# KiCad board gk-pcbv3.kicad_pcb (continued)
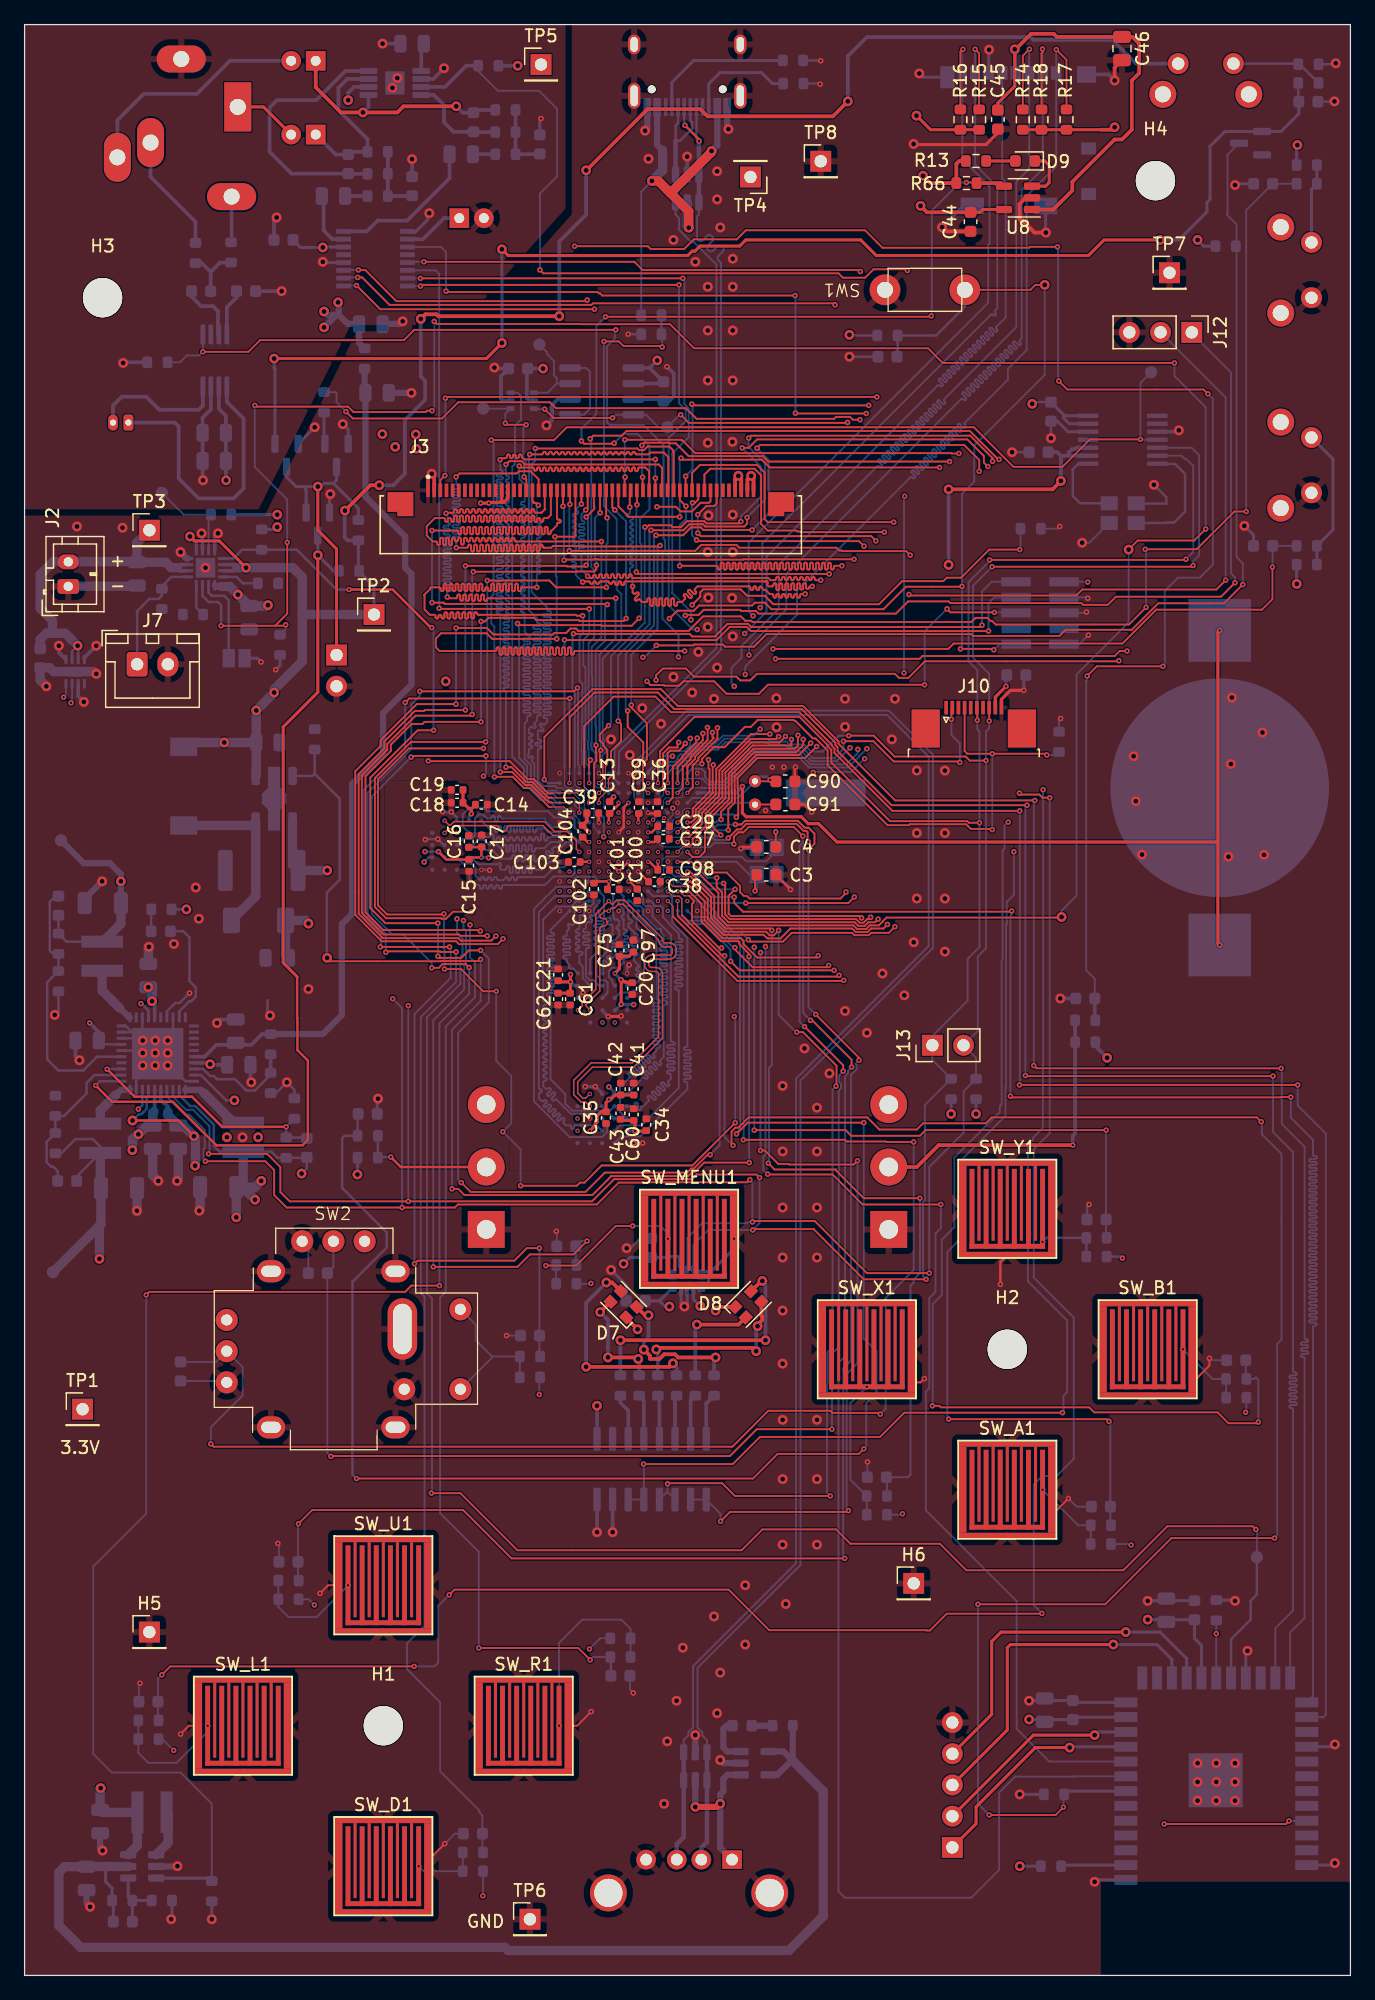
[diagram p0: board, top side]
## Routing (per net, layer and track width the routed paths; a pad name or vN(x,y) marks a point on that pad's centre or on a via; arc(x,y) is an arc through that point) (continued)
XSPI1_DQ12: length 31.1
  Bottom w0.156: U4.N6 51.16,87.83 52.56,87.83 52.72,87.67 52.72,85.68 53.97,84.44 53.97,75.65 arc(53.94,75.58) 53.86,75.54 53.79,75.54 arc(53.72,75.51) 53.69,75.44 53.69,75.39 arc(53.72,75.32) 53.79,75.29 54.14,75.29 arc(54.21,75.26) 54.24,75.18 54.24,75.13 arc(54.21,75.06) 54.14,75.03 53.79,75.03 arc(53.72,75) 53.69,74.93 53.69,74.87 arc(53.72,74.8) 53.79,74.77 54.14,74.77 arc(54.21,74.74) 54.24,74.67 54.24,74.62 arc(54.21,74.54) 54.14,74.51 53.79,74.51 arc(53.72,74.48) 53.69,74.41 53.69,74.36 arc(53.72,74.28) 53.79,74.25 54.14,74.25 arc(54.21,74.22) 54.24,74.15 54.24,74.1 arc(54.21,74.03) 54.14,74 53.79,74 arc(53.72,73.97) 53.69,73.89 53.69,73.84 arc(53.72,73.77) 53.79,73.74 54.14,73.74 arc(54.21,73.71) 54.24,73.64 54.24,73.58 arc(54.21,73.51) 54.14,73.48 53.79,73.48 arc(53.72,73.45) 53.69,73.38 53.69,73.33 arc(53.72,73.25) 53.79,73.22 54.14,73.22 arc(54.21,73.19) 54.24,73.12 54.24,73.07 arc(54.21,72.99) 54.14,72.96 53.79,72.96 arc(53.72,72.93) 53.69,72.86 53.69,72.81 arc(53.72,72.74) 53.79,72.71 53.86,72.71 arc(53.94,72.68) 53.97,72.6 53.97,72.12 50.12,68.28 48.57,68.28 U17.D5
XSPI1_DQ13: length 31.1
  Bottom w0.156: U4.R7 49.97,86.19 51.44,84.71 51.44,79.48 arc(51.47,79.41) 51.54,79.38 51.63,79.38 arc(51.7,79.35) 51.73,79.28 51.73,79.22 arc(51.7,79.15) 51.63,79.12 51.25,79.12 arc(51.18,79.09) 51.15,79.02 51.15,78.97 arc(51.18,78.89) 51.25,78.86 51.63,78.86 arc(51.7,78.83) 51.73,78.76 51.73,78.71 arc(51.7,78.64) 51.63,78.61 51.25,78.61 arc(51.18,78.58) 51.15,78.5 51.15,78.45 arc(51.18,78.38) 51.25,78.35 51.63,78.35 arc(51.7,78.32) 51.73,78.24 51.73,78.19 arc(51.7,78.12) 51.63,78.09 51.25,78.09 arc(51.18,78.06) 51.15,77.99 51.15,77.93 arc(51.18,77.86) 51.25,77.83 51.63,77.83 arc(51.7,77.8) 51.73,77.73 51.73,77.68 arc(51.7,77.6) 51.63,77.57 51.25,77.57 arc(51.18,77.54) 51.15,77.47 51.15,77.42 arc(51.18,77.35) 51.25,77.32 51.63,77.32 arc(51.7,77.29) 51.73,77.21 51.73,77.16 arc(51.7,77.09) 51.63,77.06 51.25,77.06 arc(51.18,77.03) 51.15,76.95 51.15,76.9 arc(51.18,76.83) 51.25,76.8 51.63,76.8 arc(51.7,76.77) 51.73,76.7 51.73,76.64 arc(51.7,76.57) 51.63,76.54 51.25,76.54 arc(51.18,76.51) 51.15,76.44 51.15,76.39 arc(51.18,76.31) 51.25,76.28 51.63,76.28 arc(51.7,76.25) 51.73,76.18 51.73,76.13 arc(51.7,76.06) 51.63,76.02 51.25,76.02 arc(51.18,75.99) 51.15,75.92 51.15,75.87 arc(51.18,75.8) 51.25,75.77 51.63,75.77 arc(51.7,75.74) 51.73,75.66 51.73,75.61 arc(51.7,75.54) 51.63,75.51 51.54,75.51 arc(51.47,75.48) 51.44,75.41 51.44,75.25 51.22,75.03 arc(51.19,74.96) 51.22,74.88 51.28,74.82 arc(51.31,74.75) 51.28,74.68 51.25,74.64 arc(51.17,74.61) 51.1,74.64 50.84,74.9 arc(50.76,74.93) 50.69,74.9 50.65,74.87 arc(50.62,74.8) 50.65,74.72 50.92,74.46 arc(50.95,74.39) 50.92,74.31 50.88,74.28 arc(50.81,74.25) 50.74,74.28 50.47,74.54 arc(50.4,74.57) 50.33,74.54 50.29,74.5 arc(50.26,74.43) 50.29,74.36 50.55,74.09 arc(50.58,74.02) 50.55,73.95 50.52,73.91 arc(50.44,73.88) 50.37,73.91 50.11,74.17 arc(50.03,74.2) 49.96,74.17 49.92,74.14 arc(49.89,74.07) 49.92,73.99 50.19,73.73 arc(50.22,73.66) 50.19,73.58 50.15,73.55 arc(50.08,73.52) 50.01,73.55 49.74,73.81 arc(49.67,73.84) 49.6,73.81 49.56,73.77 arc(49.53,73.7) 49.56,73.63 49.82,73.36 arc(49.85,73.29) 49.82,73.22 49.79,73.18 arc(49.71,73.15) 49.64,73.18 49.38,73.44 arc(49.3,73.48) 49.23,73.44 49.19,73.41 arc(49.16,73.34) 49.19,73.26 49.25,73.2 arc(49.28,73.13) 49.25,73.06 48.47,72.28 48.47,70.28 U17.E3
XSPI1_DQ14: length 31.1
  Bottom w0.156: U17.E2 49.57,70.73 arc(49.64,70.76) 49.67,70.83 49.67,70.92 arc(49.7,71) 49.78,71.03 49.83,71.03 arc(49.9,71) 49.93,70.92 49.93,70.53 arc(49.96,70.46) 50.03,70.43 50.08,70.43 arc(50.16,70.46) 50.19,70.53 50.19,70.62 arc(50.22,70.7) 50.29,70.73 50.37,70.73 50.81,71.16 arc(50.84,71.24) 50.81,71.31 50.74,71.38 arc(50.71,71.45) 50.74,71.52 50.78,71.56 arc(50.85,71.59) 50.93,71.56 51.2,71.28 arc(51.28,71.25) 51.35,71.28 51.39,71.32 arc(51.42,71.39) 51.39,71.46 51.11,71.74 arc(51.08,71.81) 51.11,71.89 51.14,71.92 arc(51.22,71.95) 51.29,71.92 51.57,71.65 arc(51.64,71.61) 51.71,71.65 51.75,71.68 arc(51.78,71.75) 51.75,71.83 51.47,72.11 arc(51.44,72.18) 51.47,72.25 51.51,72.29 arc(51.58,72.32) 51.66,72.29 51.93,72.01 arc(52.01,71.98) 52.08,72.01 52.12,72.05 arc(52.15,72.12) 52.12,72.19 51.84,72.47 arc(51.81,72.54) 51.84,72.62 51.87,72.65 arc(51.95,72.68) 52.02,72.65 52.3,72.37 arc(52.37,72.34) 52.44,72.37 52.48,72.41 arc(52.51,72.48) 52.48,72.56 52.42,72.62 arc(52.38,72.7) 52.42,72.77 52.62,72.97 52.62,73.28 arc(52.59,73.35) 52.51,73.38 52.42,73.38 arc(52.35,73.41) 52.32,73.49 52.32,73.54 arc(52.35,73.61) 52.42,73.64 52.81,73.64 arc(52.89,73.67) 52.92,73.74 52.92,73.8 arc(52.89,73.87) 52.81,73.9 52.42,73.9 arc(52.35,73.93) 52.32,74 52.32,74.05 arc(52.35,74.13) 52.42,74.16 52.81,74.16 arc(52.89,74.19) 52.92,74.26 52.92,74.31 arc(52.89,74.38) 52.81,74.41 52.42,74.41 arc(52.35,74.44) 52.32,74.52 52.32,74.57 arc(52.35,74.64) 52.42,74.67 52.81,74.67 arc(52.89,74.7) 52.92,74.78 52.92,74.83 arc(52.89,74.9) 52.81,74.93 52.42,74.93 arc(52.35,74.96) 52.32,75.03 52.32,75.09 arc(52.35,75.16) 52.42,75.19 52.81,75.19 arc(52.89,75.22) 52.92,75.29 52.92,75.34 arc(52.89,75.42) 52.81,75.45 52.42,75.45 arc(52.35,75.48) 52.32,75.55 52.32,75.6 arc(52.35,75.67) 52.42,75.7 52.81,75.7 arc(52.89,75.74) 52.92,75.81 52.92,75.86 arc(52.89,75.93) 52.81,75.96 52.72,75.96 arc(52.65,75.99) 52.62,76.07 52.62,84.69 51.12,86.18 51.12,86.83 50.92,87.03 50.52,87.03 50.36,87.19 50.36,87.83 U4.N7
XSPI1_DQ15: length 31.1
  Bottom w0.156: U17.E1 50.34,73.04 arc(50.41,73.07) 50.48,73.04 50.54,72.99 arc(50.62,72.95) 50.69,72.99 50.73,73.02 arc(50.76,73.09) 50.73,73.17 50.5,73.39 arc(50.47,73.47) 50.5,73.54 50.54,73.58 arc(50.61,73.61) 50.68,73.58 50.91,73.35 arc(50.98,73.32) 51.05,73.35 51.09,73.39 arc(51.12,73.46) 51.09,73.53 50.86,73.76 arc(50.83,73.83) 50.86,73.91 50.9,73.94 arc(50.97,73.97) 51.05,73.94 51.27,73.72 arc(51.35,73.68) 51.42,73.72 51.45,73.75 arc(51.49,73.82) 51.45,73.9 51.23,74.12 arc(51.2,74.2) 51.23,74.27 51.26,74.31 arc(51.34,74.34) 51.41,74.31 51.64,74.08 arc(51.71,74.05) 51.78,74.08 51.82,74.12 arc(51.85,74.19) 51.82,74.26 51.76,74.32 arc(51.73,74.39) 51.76,74.47 52.04,74.75 52.04,78.91 arc(52.07,78.98) 52.14,79.01 52.23,79.01 arc(52.31,79.04) 52.34,79.11 52.34,79.17 arc(52.31,79.24) 52.23,79.27 52.14,79.27 arc(52.07,79.3) 52.04,79.37 52.04,79.42 arc(52.07,79.5) 52.14,79.53 52.23,79.53 arc(52.31,79.56) 52.34,79.63 52.34,79.68 arc(52.31,79.76) 52.23,79.79 51.85,79.79 arc(51.78,79.82) 51.75,79.89 51.75,79.94 arc(51.78,80.01) 51.85,80.04 52.23,80.04 arc(52.31,80.07) 52.34,80.15 52.34,80.2 arc(52.31,80.27) 52.23,80.3 51.85,80.3 arc(51.78,80.33) 51.75,80.4 51.75,80.46 arc(51.78,80.53) 51.85,80.56 52.23,80.56 arc(52.31,80.59) 52.34,80.66 52.34,80.71 arc(52.31,80.79) 52.23,80.82 51.85,80.82 arc(51.78,80.85) 51.75,80.92 51.75,80.97 arc(51.78,81.05) 51.85,81.08 52.23,81.08 arc(52.31,81.11) 52.34,81.18 52.34,81.23 arc(52.31,81.3) 52.23,81.33 51.85,81.33 arc(51.78,81.36) 51.75,81.44 51.75,81.49 arc(51.78,81.56) 51.85,81.59 52.23,81.59 arc(52.31,81.62) 52.34,81.7 52.34,81.75 arc(52.31,81.82) 52.23,81.85 51.85,81.85 arc(51.78,81.88) 51.75,81.95 51.75,82 arc(51.78,82.08) 51.85,82.11 52.23,82.11 arc(52.31,82.14) 52.34,82.21 52.34,82.26 arc(52.31,82.34) 52.23,82.37 51.85,82.37 arc(51.78,82.4) 51.75,82.47 51.75,82.52 arc(51.78,82.59) 51.85,82.62 52.23,82.62 arc(52.31,82.65) 52.34,82.73 52.34,82.78 arc(52.31,82.85) 52.23,82.88 51.85,82.88 arc(51.78,82.91) 51.75,82.99 51.75,83.04 arc(51.78,83.11) 51.85,83.14 52.23,83.14 arc(52.31,83.17) 52.34,83.24 52.34,83.3 arc(52.31,83.37) 52.23,83.4 51.85,83.4 arc(51.78,83.43) 51.75,83.5 51.75,83.55 arc(51.78,83.63) 51.85,83.66 52.23,83.66 arc(52.31,83.69) 52.34,83.76 52.34,83.81 arc(52.31,83.88) 52.23,83.91 51.85,83.91 arc(51.78,83.94) 51.75,84.02 51.75,84.07 arc(51.78,84.14) 51.85,84.17 51.94,84.17 arc(52.01,84.2) 52.04,84.28 52.04,84.61 51.82,84.83 arc(51.8,84.9) 51.82,84.96 arc(51.85,85.03) 51.82,85.1 51.78,85.15 arc(51.71,85.17) 51.64,85.15 arc(51.57,85.12) 51.51,85.15 50.37,86.28 50.37,86.78 50.12,87.03 49.72,87.03 49.33,87.43 U4.P8
XSPI1_RESET#: length 105.9
  Top w0.152: v1(37.36,99.85) 31.29,99.85 28.78,97.33 28.78,87.07 29.51,86.33 34.09,86.33 v1(34.14,86.39) ; v1(57.86,69.39) 54.38,65.91 46.99,65.91 45.59,64.52 45.21,64.52 44.96,64.26 v1(40.39,64.26) ; v1(38.4,80.09) 37.34,80.09 35.53,81.89 v1(34.19,81.89)
  In3.Cu w0.152: v1(37.36,99.85) 40.44,99.85 43.69,96.6 44.74,96.6 v3(45.17,97.03) ; v1(57.78,78.03) 50.22,78.03 49.73,77.54 v3(48.06,77.54) ; v1(38.94,68.66) 39.01,68.73 v3(45.02,68.73)
  Bottom w0.152: v1(40.39,64.26) 40.39,67.21 v1(38.94,68.66) 39.62,69.34 39.62,73.2 38.4,74.42 v1(38.4,80.09) ; v1(34.14,86.39) 34.14,83.67 34.09,83.62 34.19,83.52 v1(34.19,81.89) ; v1(57.86,69.39) 57.86,77.95 v1(57.78,78.03)
XSPI1_RWDS0: length 11.3
  Bottom w0.156: U4.N11 47.17,87.82 47.17,86.13 47.29,86.01 arc(47.37,85.98) 47.44,86.01 47.48,86.05 arc(47.55,86.08) 47.62,86.05 47.66,86.01 arc(47.69,85.94) 47.66,85.86 47.49,85.7 arc(47.47,85.64) 47.49,85.59 47.56,85.52 arc(47.62,85.49) 47.68,85.52 arc(47.73,85.54) 47.79,85.52 47.87,85.43 47.87,84.68 arc(47.8,84.65) 47.73,84.68 47.7,84.71 arc(47.62,84.74) 47.55,84.71 47.51,84.67 arc(47.48,84.6) 47.51,84.53 47.55,84.5 arc(47.58,84.42) 47.55,84.35 47.47,84.28 47.47,83.38 46.57,82.48 46.57,81.38 46.97,80.98 47.27,80.98 47.47,80.78 47.47,79.98 47.37,79.88 47.37,79.86 U6.C3
XSPI1_RWDS1: length 31.1
  Bottom w0.156: U17.C3 47.42,69.33 47.42,68.63 47.03,68.23 44.37,68.23 41.47,71.13 41.47,86.78 43.28,88.58 44.61,88.58 44.81,88.78 44.81,89.26 44.95,89.41 46.38,89.41 U4.M11
XSPI2_CK_N: length 12.6
  Top w0.122: v3(34.2,93.97) 34.53,93.63 34.7,93.63 34.96,93.89 42.34,93.89 43.14,93.09 44.18,93.09 44.93,92.34 44.93,91.66 v3(45.17,91.43)
XSPI2_CK_P: length 12.6
  Top w0.122: v3(34.2,92.97) 34.53,93.31 34.84,93.31 35.09,93.57 38.41,93.57 arc(38.58,93.5) 38.65,93.33 arc(38.72,93.16) 38.89,93.09 39.01,93.09 arc(39.18,93.16) 39.25,93.33 arc(39.32,93.5) 39.49,93.57 42.21,93.57 43.01,92.77 44.03,92.77 44.6,92.19 44.6,91.66 v3(44.37,91.43)
XSPI2_CS#: length 9.7
  In3.Cu w0.203: v3(44.37,93.83) 43.26,92.72 35.45,92.72 v3(35.2,92.97)
XSPI2_DQ0: length 12.7
  Bottom w0.156: U5.D3 36.52,91.97 36.97,92.43 37.37,92.43 37.77,92.03 38.42,92.03 38.72,91.73 38.87,91.73 arc(38.94,91.76) 38.97,91.83 38.97,91.9 arc(39,91.98) 39.07,92.01 39.12,92.01 arc(39.2,91.98) 39.23,91.9 39.23,91.55 arc(39.26,91.48) 39.33,91.45 39.38,91.45 arc(39.46,91.48) 39.49,91.55 39.49,91.9 arc(39.52,91.98) 39.59,92.01 39.64,92.01 arc(39.71,91.98) 39.74,91.9 39.74,91.55 arc(39.77,91.48) 39.85,91.45 39.9,91.45 arc(39.97,91.48) 40,91.55 40,91.9 arc(40.03,91.98) 40.1,92.01 40.16,92.01 arc(40.23,91.98) 40.26,91.9 40.26,91.55 arc(40.29,91.48) 40.36,91.45 40.41,91.45 arc(40.49,91.48) 40.52,91.55 40.52,91.9 arc(40.55,91.98) 40.62,92.01 40.67,92.01 arc(40.75,91.98) 40.78,91.9 40.78,91.55 arc(40.81,91.48) 40.88,91.45 40.93,91.45 arc(41,91.48) 41.03,91.55 41.03,91.9 arc(41.06,91.98) 41.14,92.01 41.19,92.01 arc(41.26,91.98) 41.29,91.9 41.29,91.55 arc(41.32,91.48) 41.4,91.45 41.45,91.45 arc(41.52,91.48) 41.55,91.55 41.55,91.62 arc(41.58,91.7) 41.65,91.73 42.32,91.73 42.82,92.23 U4.H15
XSPI2_DQ1: length 12.6
  Bottom w0.156: U4.G13 44.77,93.42 44.77,94.03 44.57,94.23 43.12,94.23 42.62,94.73 37.67,94.73 37.37,95.03 36.22,95.03 35.67,94.48 35.67,93.5 U5.D2
XSPI2_DQ2: length 12.7
  Bottom w0.156: U5.C4 35.69,90.48 36.37,90.48 36.72,90.13 36.72,89.48 37.07,89.13 arc(37.15,89.16) 37.18,89.23 37.18,89.29 arc(37.21,89.36) 37.28,89.39 37.33,89.39 arc(37.4,89.36) 37.43,89.29 37.43,89.23 arc(37.47,89.16) 37.54,89.13 37.59,89.13 arc(37.66,89.16) 37.69,89.23 37.69,89.29 arc(37.72,89.36) 37.8,89.39 37.85,89.39 arc(37.92,89.36) 37.95,89.29 37.95,89.23 arc(37.98,89.16) 38.05,89.13 38.11,89.13 arc(38.18,89.16) 38.21,89.23 38.21,89.29 arc(38.24,89.36) 38.31,89.39 38.36,89.39 arc(38.44,89.36) 38.47,89.29 38.47,89.23 arc(38.5,89.16) 38.57,89.13 38.97,89.13 39.22,89.38 arc(39.3,89.35) 39.33,89.27 39.33,89.22 arc(39.36,89.15) 39.43,89.12 39.48,89.12 arc(39.55,89.15) 39.58,89.22 39.58,89.27 arc(39.62,89.35) 39.69,89.38 39.74,89.38 arc(39.81,89.35) 39.84,89.27 39.84,89.22 arc(39.87,89.15) 39.95,89.12 40,89.12 arc(40.07,89.15) 40.1,89.22 40.1,89.27 arc(40.13,89.35) 40.2,89.38 42.32,89.38 43.12,90.18 43.92,90.18 U4.K14
XSPI2_DQ3: length 12.7
  Bottom w0.156: U4.K15 42.77,90.63 42.12,89.98 41.66,89.98 arc(41.59,90.01) 41.56,90.08 41.56,90.16 arc(41.53,90.23) 41.45,90.26 41.4,90.26 arc(41.33,90.23) 41.3,90.16 41.3,89.8 arc(41.27,89.72) 41.2,89.69 41.14,89.69 arc(41.07,89.72) 41.04,89.8 41.04,90.16 arc(41.01,90.23) 40.94,90.26 40.89,90.26 arc(40.81,90.23) 40.78,90.16 40.78,89.8 arc(40.75,89.72) 40.68,89.69 40.63,89.69 arc(40.56,89.72) 40.53,89.8 40.53,90.16 arc(40.49,90.23) 40.42,90.26 40.37,90.26 arc(40.3,90.23) 40.27,90.16 40.27,89.8 arc(40.24,89.72) 40.16,89.69 40.11,89.69 arc(40.04,89.72) 40.01,89.8 40.01,90.16 arc(39.98,90.23) 39.91,90.26 39.85,90.26 arc(39.78,90.23) 39.75,90.16 39.75,89.8 arc(39.72,89.72) 39.65,89.69 39.6,89.69 arc(39.52,89.72) 39.49,89.8 39.49,90.16 arc(39.46,90.23) 39.39,90.26 39.34,90.26 arc(39.27,90.23) 39.23,90.16 39.23,90.08 arc(39.2,90.01) 39.13,89.98 38.82,89.98 38.7,90.1 arc(38.67,90.17) 38.7,90.25 38.76,90.3 arc(38.79,90.37) 38.76,90.45 38.72,90.48 arc(38.65,90.51) 38.57,90.48 38.52,90.43 arc(38.45,90.4) 38.37,90.43 36.92,90.43 36.38,90.97 U5.D4
XSPI2_DQ4: length 12.7
  Bottom w0.156: U4.K13 44.77,90.23 44.77,89.68 44.53,89.43 43.08,89.43 42.37,88.73 38.97,88.73 arc(38.9,88.7) 38.87,88.62 38.87,88.54 arc(38.84,88.46) 38.77,88.43 38.72,88.43 arc(38.64,88.46) 38.61,88.54 38.61,88.62 arc(38.58,88.7) 38.51,88.73 38.46,88.73 arc(38.38,88.7) 38.35,88.62 38.35,88.54 arc(38.32,88.46) 38.25,88.43 38.2,88.43 arc(38.13,88.46) 38.1,88.54 38.1,88.62 arc(38.07,88.7) 37.99,88.73 37.94,88.73 arc(37.87,88.7) 37.84,88.62 37.84,88.54 arc(37.81,88.46) 37.74,88.43 37.68,88.43 arc(37.61,88.46) 37.58,88.54 37.58,88.62 arc(37.55,88.7) 37.48,88.73 37.43,88.73 arc(37.35,88.7) 37.32,88.62 37.32,88.54 arc(37.29,88.46) 37.22,88.43 37.17,88.43 arc(37.09,88.46) 37.06,88.54 37.06,88.62 arc(37.03,88.7) 36.96,88.73 36.72,88.73 36.2,89.26 U5.D5
XSPI2_DQ5: length 12.7
  Bottom w0.156: U5.E3 37.59,91.58 38.07,91.58 38.77,90.88 39.59,90.88 arc(39.67,90.91) 39.7,90.98 39.7,91.06 arc(39.73,91.13) 39.8,91.16 39.85,91.16 arc(39.93,91.13) 39.96,91.06 39.96,90.75 arc(39.99,90.68) 40.06,90.65 40.11,90.65 arc(40.18,90.68) 40.21,90.75 40.21,91.06 arc(40.24,91.13) 40.32,91.16 40.37,91.16 arc(40.44,91.13) 40.47,91.06 40.47,90.75 arc(40.5,90.68) 40.58,90.65 40.63,90.65 arc(40.7,90.68) 40.73,90.75 40.73,91.06 arc(40.76,91.13) 40.83,91.16 40.88,91.16 arc(40.96,91.13) 40.99,91.06 40.99,90.75 arc(41.02,90.68) 41.09,90.65 41.14,90.65 arc(41.22,90.68) 41.25,90.75 41.25,91.06 arc(41.28,91.13) 41.35,91.16 41.4,91.16 arc(41.47,91.13) 41.5,91.06 41.5,90.75 arc(41.53,90.68) 41.61,90.65 41.66,90.65 arc(41.73,90.68) 41.76,90.75 41.76,90.77 arc(41.79,90.85) 41.87,90.88 42.17,90.88 42.28,90.99 arc(42.36,91.02) 42.43,90.99 42.49,90.94 arc(42.56,90.91) 42.63,90.94 42.67,90.97 arc(42.7,91.04) 42.67,91.12 42.48,91.31 arc(42.45,91.37) 42.48,91.43 42.53,91.49 arc(42.6,91.52) 42.66,91.49 42.85,91.3 arc(42.92,91.27) 43,91.3 43.03,91.34 arc(43.06,91.41) 43.03,91.48 42.98,91.54 arc(42.95,91.61) 42.98,91.68 43.12,91.83 43.72,91.83 44.12,92.23 U4.H14
XSPI2_DQ6: length 12.7
  Bottom w0.156: U5.E2 37.54,92.63 37.82,92.63 arc(37.89,92.66) 37.92,92.73 37.92,92.75 arc(37.95,92.83) 38.03,92.86 38.08,92.86 arc(38.15,92.83) 38.18,92.75 38.18,92.45 arc(38.21,92.38) 38.28,92.35 38.34,92.35 arc(38.41,92.38) 38.44,92.45 38.44,92.52 arc(38.47,92.6) 38.54,92.63 38.59,92.63 arc(38.67,92.6) 38.7,92.52 38.7,92.45 arc(38.73,92.38) 38.8,92.35 38.85,92.35 arc(38.93,92.38) 38.96,92.45 38.96,92.52 arc(38.99,92.6) 39.06,92.63 39.11,92.63 arc(39.18,92.6) 39.21,92.52 39.21,92.45 arc(39.24,92.38) 39.32,92.35 39.37,92.35 arc(39.44,92.38) 39.47,92.45 39.47,92.52 arc(39.5,92.6) 39.58,92.63 39.63,92.63 arc(39.7,92.6) 39.73,92.52 39.73,92.45 arc(39.76,92.38) 39.83,92.35 39.88,92.35 arc(39.96,92.38) 39.99,92.45 39.99,92.52 arc(40.02,92.6) 40.09,92.63 40.14,92.63 arc(40.22,92.6) 40.25,92.52 40.25,92.45 arc(40.28,92.38) 40.35,92.35 40.4,92.35 arc(40.47,92.38) 40.5,92.45 40.5,92.52 arc(40.53,92.6) 40.61,92.63 40.66,92.63 arc(40.73,92.6) 40.76,92.52 40.76,92.45 arc(40.79,92.38) 40.87,92.35 40.92,92.35 arc(40.99,92.38) 41.02,92.45 41.02,92.52 arc(41.05,92.6) 41.12,92.63 41.18,92.63 arc(41.25,92.6) 41.28,92.52 41.28,92.45 arc(41.31,92.38) 41.38,92.35 41.43,92.35 arc(41.51,92.38) 41.54,92.45 41.54,92.52 arc(41.57,92.6) 41.64,92.63 41.69,92.63 arc(41.76,92.6) 41.79,92.52 41.79,92.45 arc(41.82,92.38) 41.9,92.35 41.95,92.35 arc(42.02,92.38) 42.05,92.45 42.05,92.8 arc(42.08,92.88) 42.16,92.91 42.21,92.91 arc(42.28,92.88) 42.31,92.8 42.31,92.45 arc(42.34,92.38) 42.41,92.35 42.47,92.35 arc(42.54,92.38) 42.57,92.45 42.57,92.52 arc(42.6,92.6) 42.67,92.63 44.76,92.63 U4.H13
XSPI2_DQ7: length 12.5
  Bottom w0.156: U5.E1 37.83,93.34 37.92,93.34 arc(37.99,93.37) 38.02,93.44 arc(38.05,93.51) 38.12,93.54 38.18,93.54 arc(38.25,93.51) 38.28,93.44 38.28,93.14 arc(38.31,93.07) 38.39,93.04 38.44,93.04 arc(38.51,93.07) 38.54,93.14 38.54,93.44 arc(38.57,93.51) 38.64,93.54 38.7,93.54 arc(38.77,93.51) 38.8,93.44 38.8,93.14 arc(38.83,93.07) 38.9,93.04 38.95,93.04 arc(39.03,93.07) 39.06,93.14 39.06,93.44 arc(39.09,93.51) 39.16,93.54 39.21,93.54 arc(39.29,93.51) 39.31,93.44 39.31,93.14 arc(39.34,93.07) 39.42,93.04 39.47,93.04 arc(39.54,93.07) 39.57,93.14 39.57,93.44 arc(39.6,93.51) 39.67,93.54 39.73,93.54 arc(39.8,93.51) 39.83,93.44 39.83,93.14 arc(39.86,93.07) 39.93,93.04 39.99,93.04 arc(40.06,93.07) 40.09,93.14 40.09,93.44 arc(40.12,93.51) 40.19,93.54 40.25,93.54 arc(40.32,93.51) 40.35,93.44 40.35,93.14 arc(40.38,93.07) 40.45,93.04 40.5,93.04 arc(40.57,93.07) 40.6,93.14 40.6,93.44 arc(40.63,93.51) 40.7,93.54 40.76,93.54 arc(40.83,93.51) 40.86,93.44 40.86,93.14 arc(40.89,93.07) 40.97,93.04 41.02,93.04 arc(41.09,93.07) 41.12,93.14 41.12,93.44 arc(41.15,93.51) 41.22,93.54 41.28,93.54 arc(41.35,93.51) 41.38,93.44 41.38,93.14 arc(41.41,93.07) 41.48,93.04 41.53,93.04 arc(41.61,93.07) 41.64,93.14 41.64,93.23 arc(41.67,93.31) 41.74,93.34 42.11,93.34 42.12,93.33 42.32,93.33 42.63,93.03 U4.G15
XSPI2_RWDS: length 12.7
  Bottom w0.156: U5.C3 35.7,92.48 36.37,92.48 36.67,92.78 36.67,94.18 36.97,94.48 37.32,94.48 37.67,94.13 37.92,94.13 arc(37.99,94.16) 38.02,94.23 38.02,94.26 arc(38.05,94.33) 38.12,94.36 38.17,94.36 arc(38.25,94.33) 38.28,94.26 38.28,94 arc(38.31,93.93) 38.38,93.9 38.43,93.9 arc(38.51,93.93) 38.54,94 38.54,94.26 arc(38.57,94.33) 38.64,94.36 38.69,94.36 arc(38.76,94.33) 38.79,94.26 38.79,94.23 arc(38.82,94.16) 38.9,94.13 42.32,94.13 43.02,93.43 43.96,93.43 U4.G14
Net-(C49-Pad2): length 1.8
  Bottom w0.305: C49.2 R3.1
Net-(C50-Pad2): length 1.8
  Bottom w0.305: C50.2 38.33,148.2
Net-(C51-Pad1): length 5.6
  Bottom w0.305: C51.1 31.52,144.8 R3.2 R19.1 R20.1
Net-(C53-Pad1): length 5.6
  Bottom w0.305: C53.1 41.92,148.2 R21.2 R70.1 R69.1
Net-(C55-Pad2): length 5.3
  Top w0.254: C55.2 19.46,152.05 J5.T
Net-(C56-Pad2): length 19.2
  Bottom w0.305: C56.2 16.71,155.8 14.02,153.11 9.7,153.11 7.56,150.97 J5.R
Net-(C82-Pad2): length 5.1
  Bottom w0.305: 15.15,138.62 C82.2 ; 15.15,138.62 15.91,139.38 R64.2 ; 15.15,138.62 14.44,139.33 R65.2
Net-(D1-A): length 1.8
  Bottom w0.203: D1.2 10.3,86.74 R97.2
Net-(D4-A): length 14.9
  Bottom w0.762: L1.2 18.49,93.57 U22.5 18.82,87.82 D4.2
Net-(D4-K): length 85.5
  Top w0.305: J3.51 57.85,121.76 v2(58.12,122.03) 58.35,121.79 J3.52
  In2.Cu w0.762: v2(58.12,122.03) 58.12,122.4 56.9,123.62 55.09,123.62 54.31,124.41 51.82,124.41 50.27,125.96 45.08,125.96 44.35,125.22 40.56,125.22 39.5,124.16 33.38,124.16 31.85,122.63 30.51,122.63 30.18,122.96 v2(30.18,124.38) v2(29.13,125.43)
  In3.Cu w0.762: v2(23.11,85.6) 23.11,96.52 27.94,101.35 27.94,104.24 30.66,106.96 30.66,123.9 v2(29.13,125.43)
  Bottom w0.762: C31.1 21.25,83.08 D4.1 22.86,85.85 v2(23.11,85.6)
Net-(D5-A): length 1.7
  Bottom w0.508: D5.2 R73.1
Net-(D5-K): length 3.9
  Bottom w0.508: D5.1 57.15,20.32 56.9,20.07 56.9,18.54 57.22,18.22 U24.3
Net-(D7-BK): length 9
  Top w0.305: v2(47.5,50.29) 49.83,50.29 v2(49.96,50.16) ; v2(46.86,53.98) D7.4
  Bottom w0.305: 50.04,48.83 50.04,50.09 v2(49.96,50.16) ; v2(47.5,50.29) 47.5,53.34 v2(46.86,53.98)
Net-(D7-GK): length 17.3
  Top w0.305: v2(47.37,56.39) 47.84,56.39 D7.3 ; v2(52.79,49.81) 52.51,49.52 45.73,49.52 v2(45.72,49.53)
  Bottom w0.305: v2(45.72,49.53) 45.72,54.74 v2(47.37,56.39) ; v2(52.79,49.81) 53.09,49.51 53.09,48.83
Net-(D7-RK): length 12.3
  Top w0.305: v2(50.42,50.93) 50.93,50.42 50.93,50.17 51.69,50.17 52.07,50.55 52.96,50.55 53.22,50.28 v2(56.26,50.28) ; D7.2 50.51,53.72 v2(50.8,53.72)
  Bottom w0.305: v2(50.42,50.93) 50.42,51.56 50.8,51.94 v2(50.8,53.72) ; v2(56.26,50.28) 56.13,50.16 56.13,48.83
Net-(D8-BK): length 20.9
  Top w0.305: v2(60.07,56.52) 59.99,56.52 D8.4 ; v2(48.51,51.69) v2(60.33,51.69)
  Bottom w0.305: 48.51,48.83 v2(48.51,51.69) ; v2(60.07,56.52) 60.33,56.26 v2(60.33,51.69)
Net-(D8-GK): length 14.7
  Top w0.305: v2(59.68,52.83) 59.68,52.95 60.07,53.34 60.07,53.59 59.99,53.67 D8.3 ; v2(59.56,50.8) 59.3,51.07 51.57,51.07 v2(51.44,50.93)
  Bottom w0.305: v2(59.56,50.8) 59.56,52.71 v2(59.68,52.83) ; 51.56,48.83 51.56,50.81 v2(51.44,50.93)
Net-(D8-RK): length 8.4
  Top w0.305: v2(54.74,52.96) 58.13,52.96 D8.2
  Bottom w0.305: v2(54.74,52.96) 54.61,52.83 54.61,48.83
Net-(D9-A): length 2.4
  Top w0.254: D9.2 R13.2
Net-(D9-K): length 4.2
  Top w0.254: D9.1 83.06,147.65 83.42,147.29 83.42,145.9 83.12,145.6 U8.3
Net-(J1-CC1): length 11.8
  Bottom w0.25: R6.2 54.49,155.83 52.7,154.05 J1.A5
Net-(J1-CC2): length 8.7
  Bottom w0.25: R7.1 60.89,153.95 60,154.84 56.62,154.84 55.7,153.92 J1.B5
Net-(J3-Pin_53): length 85.2
  Top w0.305: J3.53 58.85,121.72 v2(59.15,122.03) 59.35,121.83 J3.54
  In2.Cu w0.762: v2(31.9,124.23) 31.9,125.35 v2(31.85,125.4) 36.53,125.4 39.47,128.35 52.2,128.35 52.91,129.06 54.66,129.06 56.54,127.18 59.13,127.18 60.78,125.53 60.78,124.31 59.15,122.68 v2(59.15,122.03)
  In3.Cu w0.762: v2(31.85,125.4) 32.23,125.02 32.23,106.17 30.1,104.04 30.1,104.01 29.46,103.38 29.46,100.84 24.64,96.01 v2(24.64,89.92)
  Bottom w0.762: U22.4 21.82,90.36 R5.1 v2(24.64,89.92)
Net-(J6-Pin_1): length 23.6
  Bottom w0.305: J6.1 12.22,126.36 12.55,126.03 12.55,121.82 14.17,120.19 17.02,120.19 17.83,121.01 17.83,126.7 16.47,128.06 U12.5
Net-(J6-Pin_2): length 11.1
  Bottom w0.305: U12.8 14.52,127.75 14.17,127.41 10.97,127.41 9.91,128.47 7.92,128.47 7.2,127.75 J6.2
Net-(J7-Pin_1): length 10.1
  Bottom w0.203: J7.1 9.16,110.98 9.14,111 10.16,112.01 10.92,112.01 11.18,112.27 R11.2 11.18,113.03 11.95,113.8 U21.1
Net-(J14-VBUS): length 12.9
  Top w0.508: v2(56.64,13.97) 56.39,13.72 v2(54.61,13.72)
  Bottom w0.508: J14.1 56.64,10.38 v2(56.64,13.97) 56.64,14.73 56.9,14.99 56.9,16 57.22,16.32 U24.1 ; U23.5 v2(54.61,13.72)
Net-(J15-Pin_1): length 26.8
  Top w0.25: J15.1 25.4,116.08 23.88,117.6 v2(23.88,121.16)
  Bottom w0.25: 22.86,121.16 22.86,120.9 22.93,120.84 Q4.1 ; 22.86,121.16 22.1,121.16 21.34,121.92 Q1.3 ; 22.86,121.16 v2(23.88,121.16) 24.13,121.16 24.38,121.41 25.15,121.41 ; R78.2 27.18,119.38 25.15,121.41 ; 25.15,121.41 25.4,121.67 Q2.3
Net-(J16-Pin_1): length 18.3
  Top w0.254: J16.1 77.47,12.35 77.47,13.72 82.3,18.54 v2(85.09,18.54)
  Bottom w0.254: U25.10 85.16,18.61 v2(85.09,18.54)
Net-(J16-Pin_2): length 17
  Top w0.254: J16.2 82.14,19.56 v2(87.12,19.56)
  Bottom w0.254: v2(87.12,19.56) 87.38,19.81 U25.11
Net-(J16-Pin_3): length 28.5
  Top w0.254: J16.3 80.01,19.97 80.01,26.67 80.26,26.92 v2(88.65,26.92)
  Bottom w0.254: U25.16 93.41,25.71 92.2,26.92 v2(88.65,26.92)
Net-(J16-Pin_4): length 29.1
  Top w0.254: v2(89.66,27.94) 79.5,27.94 78.74,27.18 78.74,21.24 J16.4
  Bottom w0.254: U25.17 94.62,25.78 92.46,27.94 v2(89.66,27.94)
Net-(JP4-B): length 7.2
  Bottom w0.203: U21.14 14.98,112.53 15.24,112.27 16.26,112.27 16.62,111.9 JP4.2
Net-(Q1-G): length 110.2
  Top w0.25: v2(20.32,131.57) 37.59,131.57 v2(38.86,132.84) ; v2(92.46,141.22) 87.88,141.22 86.61,139.95 69.34,139.95 68.07,141.22 58.72,141.22 58.23,140.73 55,140.73 54.58,140.31 54.36,140.31 54,139.95 39.37,139.95 v2(38.86,140.46)
  Bottom w0.152: 103.66,152.48 C73.1
  Bottom w0.203: C73.1 103.7,152.53 R49.2
  Bottom w0.25: Q1.1 20.39,130.74 20.32,130.81 v2(20.32,131.57) ; C73.1 103.75,151.5 102.3,150.05 Q5.1 97.72,150.05 96.52,148.84 96.52,144.53 96.27,144.27 96.27,143.51 93.98,141.22 v2(92.46,141.22) ; v2(38.86,140.46) v2(38.86,132.84)
